# Altium PCB CRD25DA12N-FMC V1.1 (07-2023).PcbDoc (part 1 of 7) (continued)
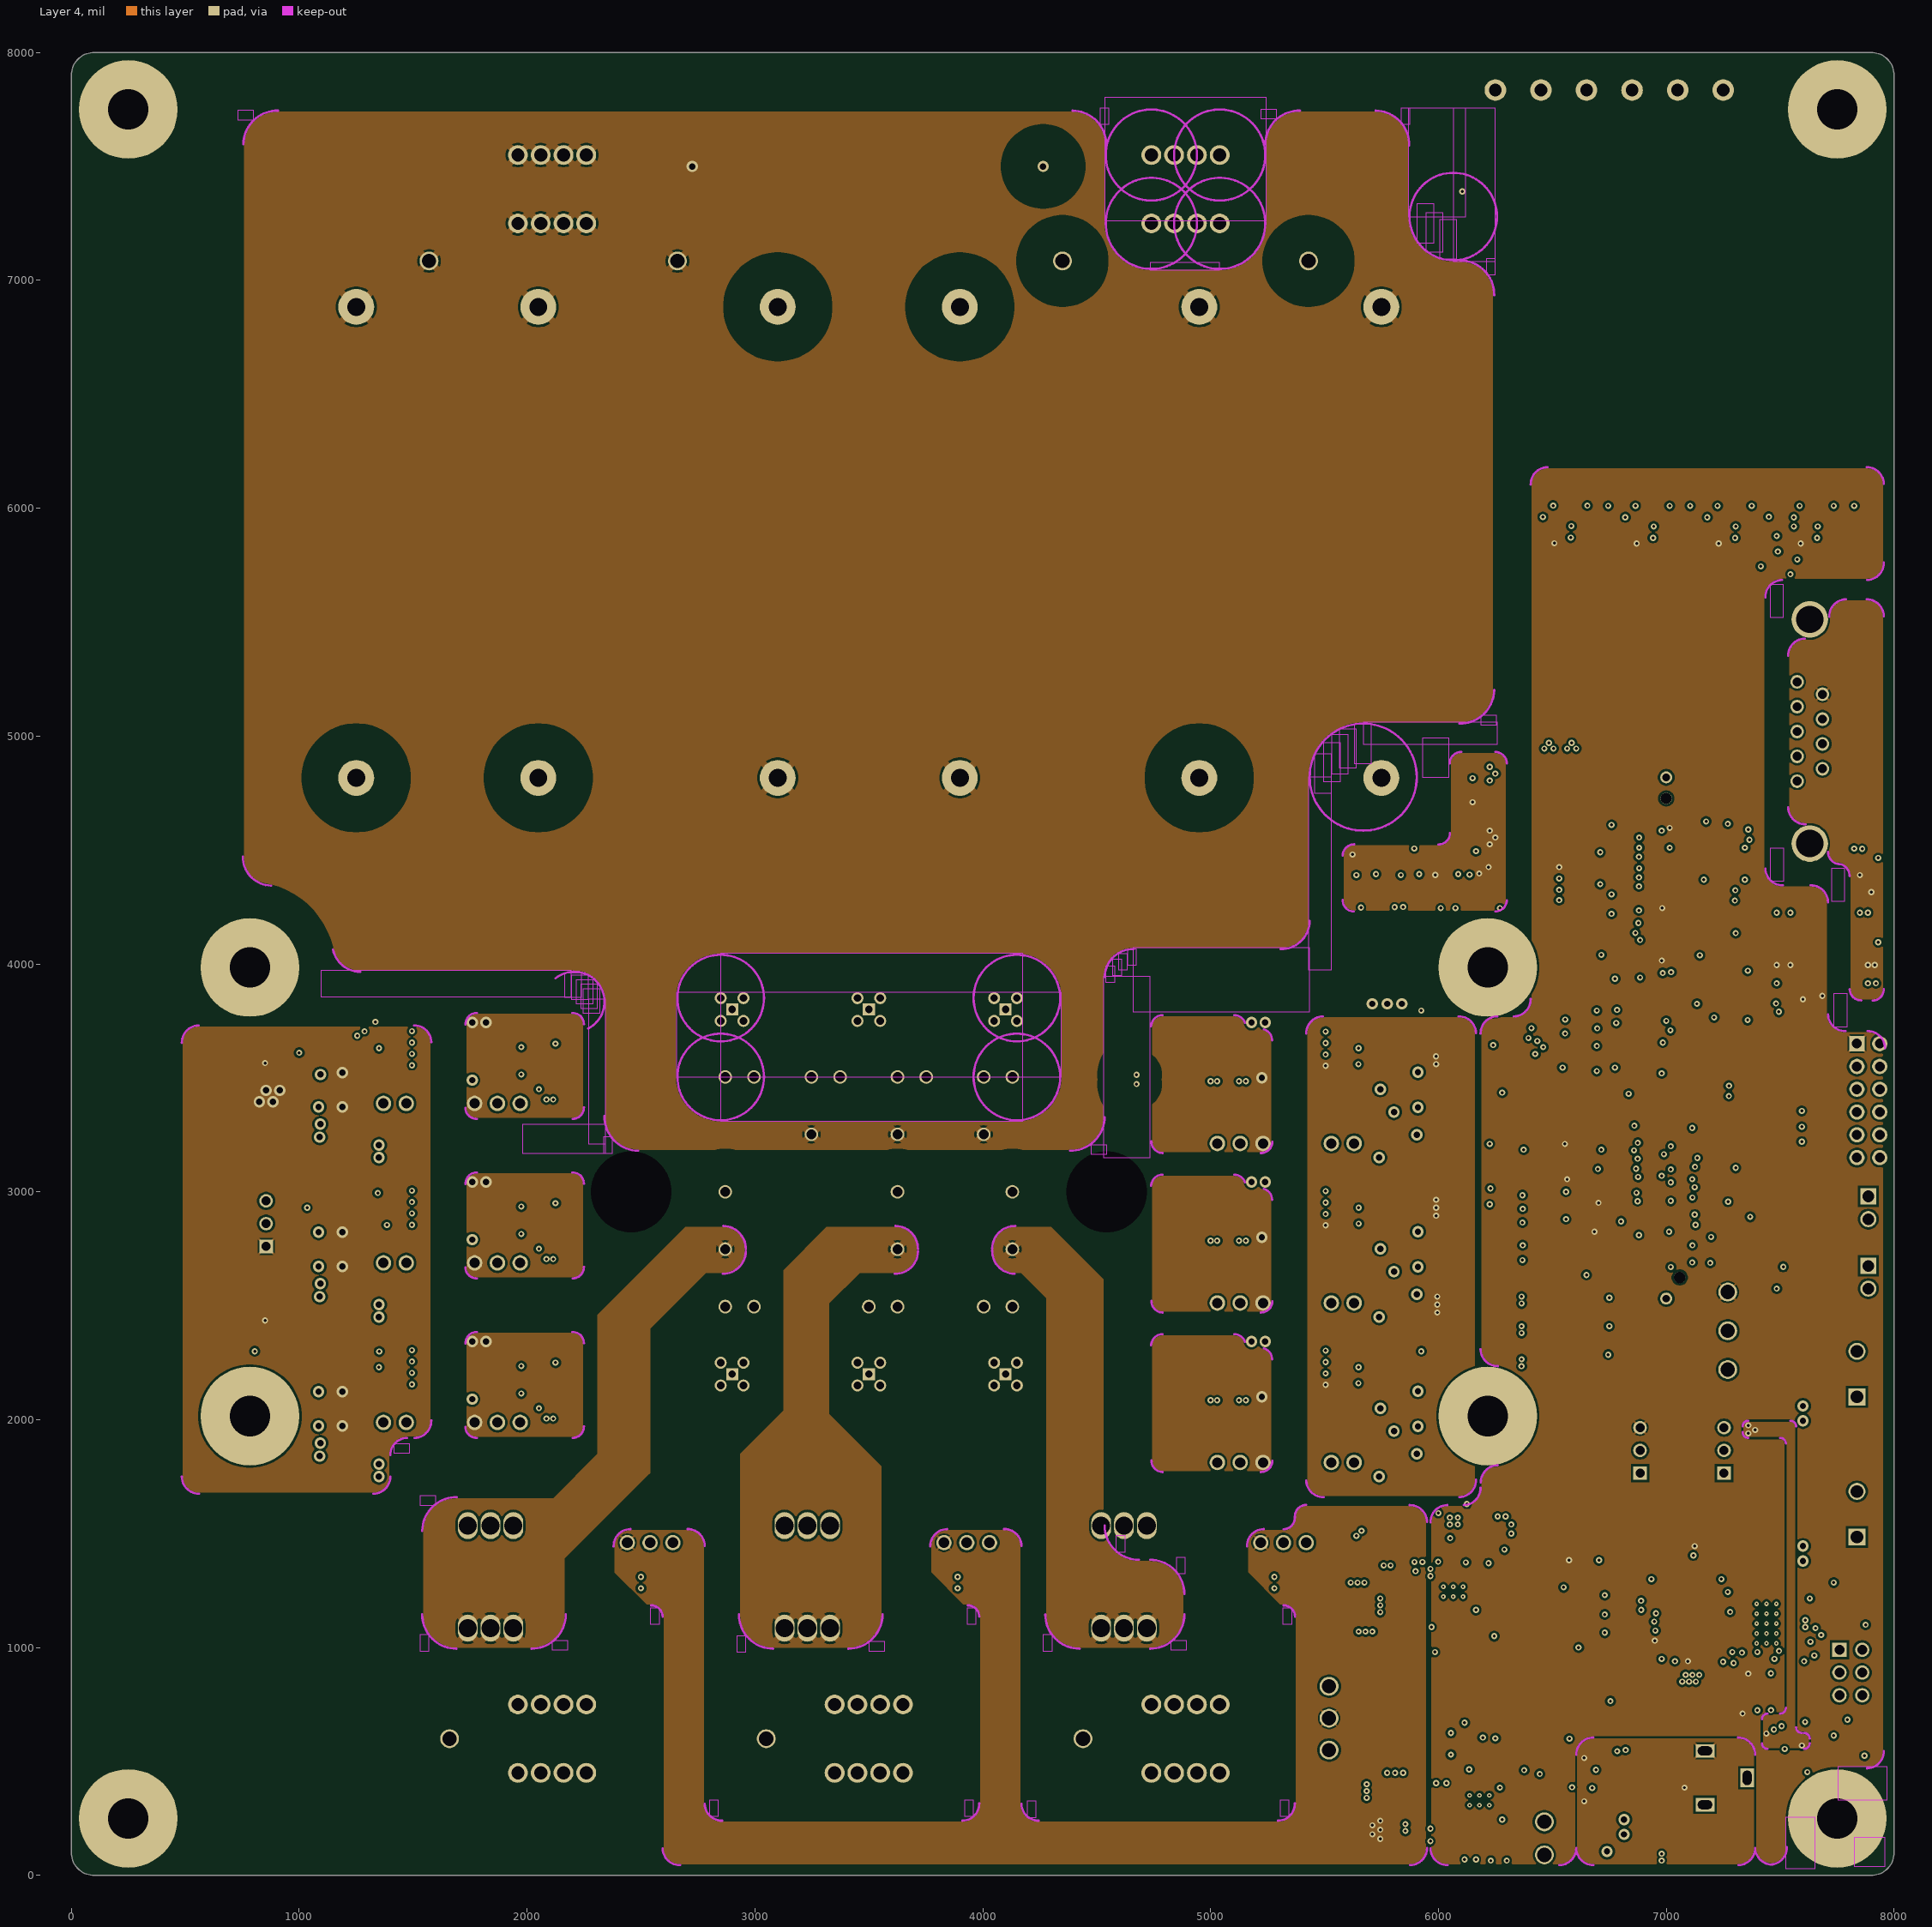
[diagram p4: Layer 4]
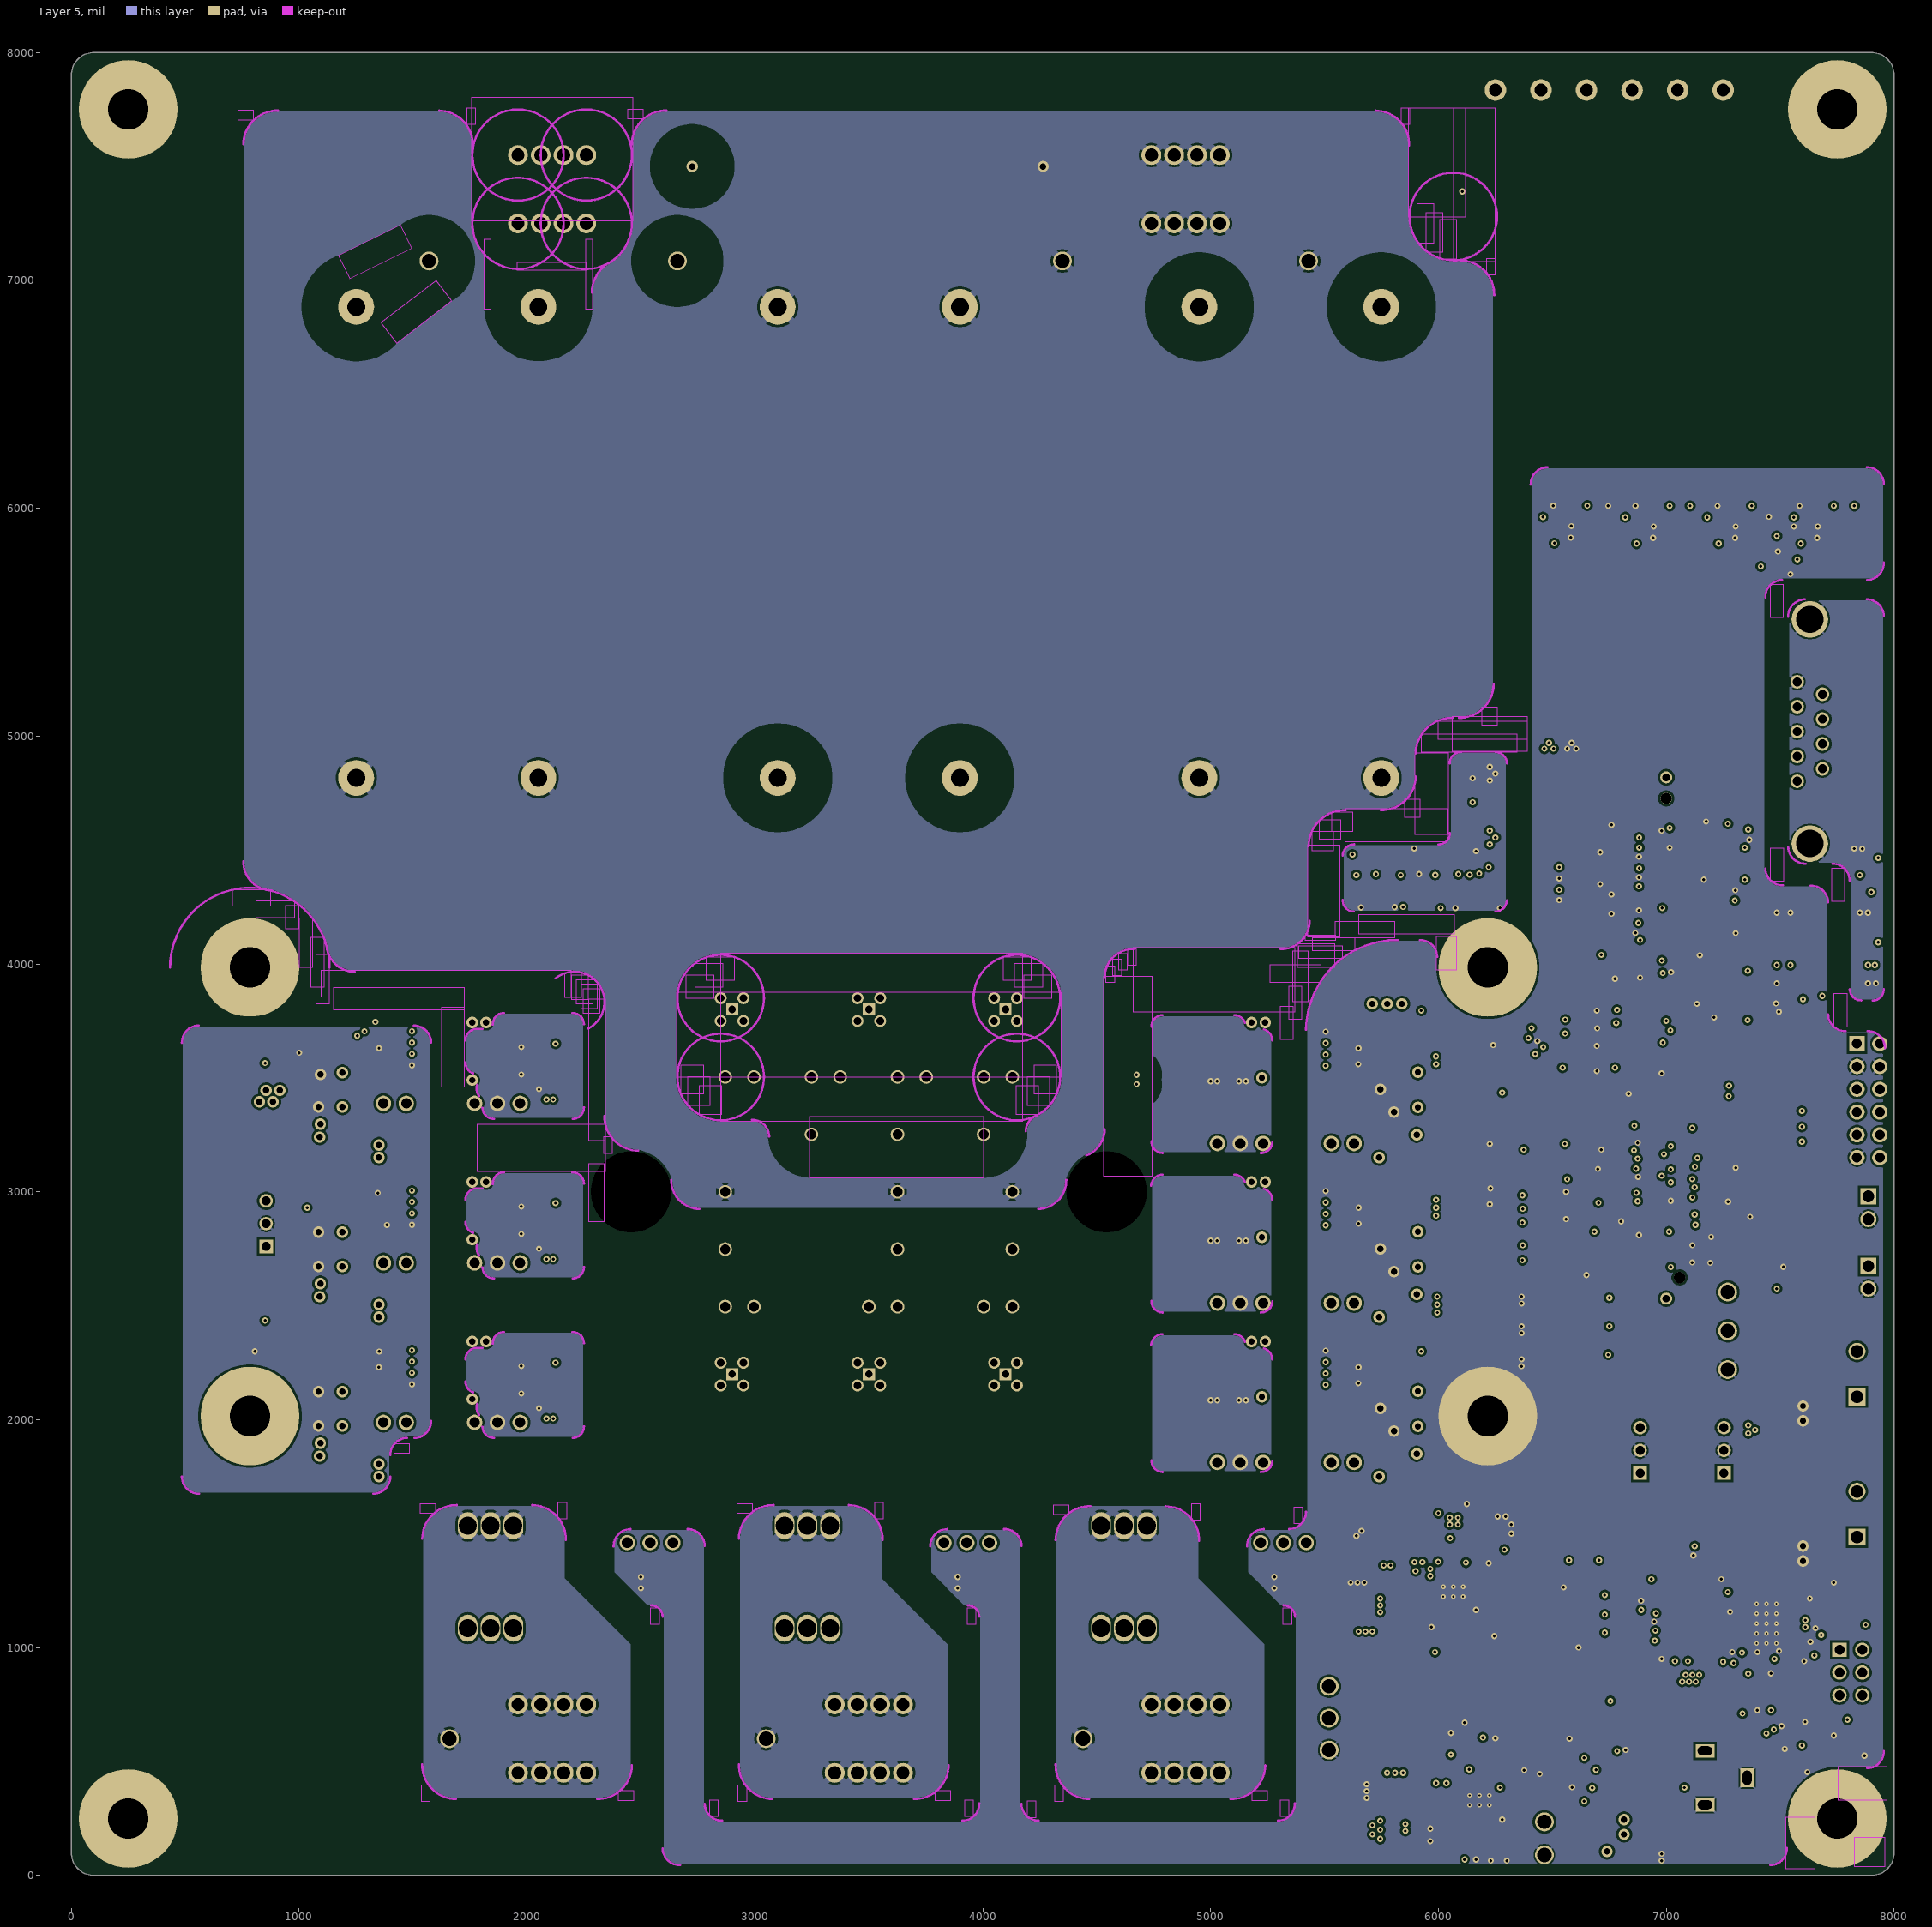
[diagram p5: Layer 5]

## Layer stack, top to bottom
Top Solder: solder mask 1, SM-002, Dk 4
Top Layer: signal copper 2.756
Dielectric 2: prepreg 7.894, PP-006, Dk 4.1
Layer 2: signal copper 2.756
Dielectric 4: prepreg 7.894, PP-006, Dk 4.1
Layer 3: signal copper 2.756
Dielectric 1: dielectric 42.888, FR-4, Dk 4.8
Layer 4: signal copper 2.756
Dielectric 5: prepreg 7.894, PP-006, Dk 4.1
Layer 5: signal copper 2.756
Dielectric 3: prepreg 7.894, PP-006, Dk 4.1
Bottom Layer: signal copper 2.756
Bottom Solder: solder mask 1, SM-002, Dk 4

## Board outline
0,100 0,7900 cw(c100,7900) 100,8000 7900,8000 cw(c7900,7900) 8000,7900 8000,100 cw(c7900,100) 7900,0 100,0 cw(c100,100)

## Design rules (kind name [scope] priority, off if disabled: settings)
Clearance Keepout [IsKeepOut] p1: gap=0 ignorepadtopadclearanceinfootprint=FALSE
Clearance DC+/- [InNet('DC+') vs InNet('DC-')] p2: gap=160 ignorepadtopadclearanceinfootprint=FALSE except(0: Arc-Text Arc-Hole Track-Text Track-Hole SMDPad-Text SMDPad-Hole THPad-Text THPad-Hole Via-Text Via-Hole Fill-Text Fill-Hole Poly-Text Poly-Hole Region-Text Region-Hole Text-Text Text-Hole)
Clearance DC+ [InNet('DC+') vs NOT (HoleDiameter > 180) AND NOT InNet('DC+1')] p3: gap=160 ignorepadtopadclearanceinfootprint=FALSE except(0: Arc-Text Arc-Hole Track-Text Track-Hole SMDPad-Text SMDPad-Hole THPad-Text THPad-Hole Via-Text Via-Hole Fill-Text Fill-Hole Poly-Text Poly-Hole Region-Text Region-Hole Text-Text Text-Hole)
Clearance +15V [InNet('+15V') vs InNet('+15V')] p4: gap=0 ignorepadtopadclearanceinfootprint=FALSE
Clearance VIN [InNet('VIN') vs InNet('VIN')] p5: gap=0 ignorepadtopadclearanceinfootprint=FALSE
Clearance VIN_PROTECT [InNet('VIN_PROTECT') vs InNet('VIN_PROTECT')] p6: gap=0 ignorepadtopadclearanceinfootprint=FALSE
Clearance U [InNetClass('U Class') vs NOT InNetClass('U Class') AND NOT (HoleDiameter > 100)] p7: gap=99 ignorepadtopadclearanceinfootprint=FALSE except(0: Arc-Text Arc-Hole Track-Text Track-Hole SMDPad-Text SMDPad-Hole THPad-Text THPad-Hole Via-Text Via-Hole Fill-Text Fill-Hole Poly-Text Poly-Hole Region-Text Region-Hole Text-Text Text-Hole)
Clearance V [InNetClass('V Class') vs NOT InNetClass('V Class') AND NOT IsKeepOut] p8: gap=99 ignorepadtopadclearanceinfootprint=FALSE except(0: Arc-Text Arc-Hole Track-Text Track-Hole SMDPad-Text SMDPad-Hole THPad-Text THPad-Hole Via-Text Via-Hole Fill-Text Fill-Hole Poly-Text Poly-Hole Region-Text Region-Hole Text-Text Text-Hole)
Clearance W [InNetClass('W Class') vs NOT InNetClass('W Class')] p9: gap=99 ignorepadtopadclearanceinfootprint=FALSE except(0: Arc-Text Arc-Hole Track-Text Track-Hole SMDPad-Text SMDPad-Hole THPad-Text THPad-Hole Via-Text Via-Hole Fill-Text Fill-Hole Poly-Text Poly-Hole Region-Text Region-Hole Text-Text Text-Hole)
Clearance DC- [InNetClass('DC- Class') vs NOT InNetClass('DC- Class') AND NOT InNet('DC-1') AND NOT (HoleDiameter > 180)] p10: gap=99 ignorepadtopadclearanceinfootprint=FALSE except(0: Arc-Text Arc-Hole Track-Text Track-Hole SMDPad-Text SMDPad-Hole THPad-Text THPad-Hole Via-Text Via-Hole Fill-Poly Fill-Text Fill-Hole Poly-Text Poly-Hole Region-Text Region-Hole Text-Text Text-Hole)
Clearance [All] p11: gap=10 ignorepadtopadclearanceinfootprint=FALSE except(0: Arc-Hole Track-Hole SMDPad-Hole THPad-Hole Via-Hole Fill-Poly Fill-Hole Poly-Hole Region-Hole Text-Hole; 6: Arc-SMDPad Track-SMDPad SMDPad-SMDPad THPad-THPad)
Height [All] p1: minheight=0 maxheight=4100 prefheight=500
HoleSize [All] p1: absolutevalues=TRUE maxlimit=400 minlimit=5 maxpercent=80.000 minpercent=20.000
MinimumSolderMaskSliver [All] p1: minsoldermaskwidth=1.5
PolygonConnect BoltConnect [HoleDiameter=177.165] p1: thpad.connectstyle=Direct thpad.reliefconductorwidth=10 thpad.reliefentries=4 thpad.polygonreliefangle="90 Angle" thpad.airgapwidth=10 smdpad.connectstyle=Relief smdpad.reliefconductorwidth=10 smdpad.reliefentries=4 smdpad.polygonreliefangle="90 Angle" smdpad.airgapwidth=10 via.connectstyle=Relief via.reliefconductorwidth=10 via.reliefentries=4 via.polygonreliefangle="90 Angle" via.airgapwidth=10
PolygonConnect PourOverThruConnect [InNetClass('Pour-Over Thru Clas')] p2: thpad.connectstyle=Direct thpad.reliefconductorwidth=10 thpad.reliefentries=4 thpad.polygonreliefangle="90 Angle" thpad.airgapwidth=10 smdpad.connectstyle=Relief smdpad.reliefconductorwidth=20 smdpad.reliefentries=4 smdpad.polygonreliefangle="90 Angle" smdpad.airgapwidth=8 via.connectstyle=Direct via.reliefconductorwidth=10 via.reliefentries=4 via.polygonreliefangle="90 Angle" via.airgapwidth=10
PolygonConnect PourOverConnect [InNetClass('Pour-Over Class')] p3: connectstyle=Direct reliefconductorwidth=10 reliefentries=4 polygonreliefangle="90 Angle" airgapwidth=10
PolygonConnect ViaConnect [IsVia] p4: connectstyle=Direct reliefconductorwidth=10 reliefentries=4 polygonreliefangle="90 Angle" airgapwidth=10
PolygonConnect HighCurrentConnect [InNetClass('High-Current Class')] p5: thpad.connectstyle=Relief thpad.reliefconductorwidth=30 thpad.reliefentries=4 thpad.polygonreliefangle="45 Angle" thpad.airgapwidth=10 smdpad.connectstyle=Relief smdpad.reliefconductorwidth=10 smdpad.reliefentries=4 smdpad.polygonreliefangle="45 Angle" smdpad.airgapwidth=10 via.connectstyle=Direct via.reliefconductorwidth=10 via.reliefentries=4 via.polygonreliefangle="90 Angle" via.airgapwidth=10
PolygonConnect [All] p6: connectstyle=Relief reliefconductorwidth=10 reliefentries=4 polygonreliefangle="45 Angle" airgapwidth=7
RoutingVias [All] p1: holewidth=28 width=50 viastyle="Through Hole" minholewidth=28 minwidth=50 maxholewidth=28 maxwidth=50
SilkToSilkClearance [All] p1: silktosilkclearance=4
SilkToSolderMaskClearance [IsPad] p1: minsilkscreentomaskgap=2 clearancetoexposedcopper=TRUE
SolderMaskExpansion [All] p1: expansion=4 istentingtop=FALSE
Width [All] p1: maxlimit=100 minlimit=6.5 preferedwidth=10 minimp=50.000000 maximp=50.000000 favimp=50.000000
25 further rules are at their usual default settings.

## Classes and differential pairs
net class "Pour-Over Thru Clas": +15V_U_HS +15V_U_LS +15V_V_HS +15V_V_LS +15V_W_HS +15V_W_LS -3V_U_HS -3V_U_LS -3V_V_HS -3V_V_LS -3V_W_HS -3V_W_LS S1 S2 S3 S4 S5 S6
net class "Pour-Over Class": G1 G1H G1L G2 G2H G2L G3 G3H G3L G4 G4H G4L G5 G5H G5L G6 G6H G6L
net class "High-Current Class": DC+ DC- U U_OUT V V_OUT W W_OUT
net class "Bleed Class": BLEED1 BLEED2 BLEED3
net class "DC- Class": +15V_U_LS +15V_V_LS +15V_W_LS -3V_U_LS -3V_V_LS -3V_W_LS DC- G2 G2H G2L G4 G4H G4L G6 G6H G6L S2 S4 S6
net class "W Class": +15V_W_HS -3V_W_HS G5 G5H G5L S5 W W_OUT
net class "V Class": +15V_V_HS -3V_V_HS G3 G3H G3L S3 V V_OUT
net class "U Class": +15V_U_HS -3V_U_HS G1 G1H G1L S1 U U_OUT
component class "08 - Resolver": C16 C18 C38 C39 C41 C42 C43 C45 C46 C47 C167 C168 C169 C170 C171 C172 C173 C174 C175 C176 C178 C180 D10 D11 D12 J16 Q2 R55 R56 R97 R101 R102 R103 R104 R105 R107 R110 R209 R211 R212 R214 R215 R217 R218 R219 R220 R221 R222 R223 R224 R225 R226 R227 R228 U44 U45 U46 U47
component class "02 - Power Stage": C54 C55 C56 C161 C162 C163 C164 C165 C166 D13 D14 D15 D16 HS1 J2 J3 J5 J6 J7 J12 J13 J14 J17 J18 J19 MH1 MH2 MH3 MH4 Q3 R1 R2 R3 R4 R5 R6 R7 R8 R9 R10 R11 R12 R178 R183 R185 R188 R200 R201 R202 R203 TP1 TP2 TP3 TP4 TP10 TP11 TP12 U32 U33 U34
component class "04 - Auxiliary Power": C5 C10 C11 C12 C15 C23 C37 C40 C44 C48 C49 C50 C51 C52 C53 C61 C62 C63 C67 C112 C125 C148 C149 C154 C155 C158 C159 C160 C177 C179 C181 C182 C183 C184 D4 D5 D6 D7 D8 D9 D19 J9 J10 J20 L7 L8 Q1 Q6 Q7 R98 R99 R100 R106 R108 R109 R111 R112 R113 R114 R115 R116 R117 R118 R119 R120 R121 R206 R207 R210 R213 R216 R229 R230 TP5 TP6 TP7 TP8 TP9 TP13 TP14 TP15 U6 U7 U12 U19 U30 U31 U35 U36 U37 U38 U48
component class "07 - Current Sense": C17 C19 C21 C27 C28 C32 C34 C35 C64 C69 C70 C71 C77 C78 C79 C80 C81 C84 C85 C86 C102 C103 C104 C107 C108 C109 C113 C114 C119 R57 R66 R67 R68 R69 R70 R71 R72 R73 R76 R79 R84 R85 R86 R87 R90 R93 R154 R155 R164 R165 R166 R167 R168 R169 R170 R171 R172 R173 R174 R175 R194 R198 R199 U18 U21 U23 U39 U40 U42
component class "03 - Controller": C20 C22 C29 C30 C31 C33 C82 C83 C111 C126 C129 C132 D1 D2 D3 D17 D18 J4 J8 J11 J15 Q4 Q5 R58 R59 R156 R190 R191 R192 R193 R195 R196 R197 R205 R208 U5 U41 U43
component class "06 - Voltage Sense": C1 C2 C3 C4 C6 C7 C8 C9 C57 C58 C59 C60 C65 C66 C68 C72 J1 R13 R14 R15 R16 R17 R18 R19 R20 R21 R22 R23 R24 R25 R26 R27 R28 R29 R30 R31 R32 R33 R34 R35 R36 R37 R38 R39 R40 R41 R42 R43 R44 R45 R46 R53 R54 R122 R123 R124 R125 R126 R127 R128 R129 R130 R131 R132 R133 R134 R135 R136 R137 R138 R139 R140 R141 R142 R143 R144 R145 R146 R147 R148 R149 R150 R151 R152 R153 U1 U2 U3 U4
component class "05 - Gate Drivers": C13 C14 C24 C25 C26 C36 C73 C74 C75 C76 C87 C88 C89 C90 C91 C92 C93 C94 C95 C96 C97 C98 C99 C100 C101 C105 C106 C110 C115 C116 C117 C118 C120 C121 C122 C123 C124 C127 C128 C130 C131 C133 C134 C135 C136 C137 C138 C139 C140 C141 C142 C143 C144 C145 C146 C147 C150 C151 C152 C153 C156 C157 L1 L2 L3 L4 L5 L6 R47 R48 R49 R50 R51 R52 R60 R61 R62 R63 R64 R65 R74 R75 R77 R78 R80 R81 R82 R83 R88 R89 R91 R92 R94 R96 R157 R158 R159 R160 R161 R162 R163 R176 R177 R179 R180 R181 R182 R184 R186 R187 R189 R204 R231 R232 R233 R234 R235 R236 U8 U9 U10 U11 U13 U14 U15 U16 U17 U20 U22 U24 U25 U26 U27 U28 U29

## Components (designator, comment, footprint, x,y, rotation, side; value= is the part's Value field where it differs from the comment)
C1 "C0603C472K3RAC7867" FP-C0603C-CF-IPC_B 6460,6040 r270 top value=4.7nF
C2 "CL10B103KA8WPNC" FP-C0603C-CF-IPC_B 6820,6040 r270 top value=10nF
C3 "CL10B103KA8WPNC" FP-C0603C-CF-IPC_B 7180,6040 r270 top value=10nF
C4 "CL10B103KA8WPNC" FP-C0603C-CF-IPC_B 7540,6040 r270 top value=10nF
C5 "C0603C104K3RACTU" FP-C0603C-CF-IPC_B 7480,5920 r180 top value=0.10μF
C6 "C0603C104K3RACTU" FP-C0603C-CF-IPC_B 6580,5795 r0 top value=0.10μF
C7 "C0603C104K3RACTU" FP-C0603C-CF-IPC_B 6940,5795 r0 top value=0.10μF
C8 "C0603C104K3RACTU" FP-C0603C-CF-IPC_B 7300,5795 r0 top value=0.10μF
C9 "C0603C104K3RACTU" FP-C0603C-CF-IPC_B 7660,5795 r0 top value=0.10μF
C10 "CL31B106KAHSFNE" FP-CL31-IPC_B 6090,4765 r90 top value=10μF
C11 "C0603C104K3RACTU" FP-C0603C-CF-IPC_B 7210,4580 r180 top value=0.10μF
C12 "C0603C104K3RACTU" FP-C0603C-CF-IPC_B 7210,4511 r180 top value=0.10μF
C13 "C0603C104K3RACTU" FP-C0603C-CF-IPC_B 5792,4465 r90 top value=0.10μF
C14 "C0603C104K3RACTU" FP-C0603C-CF-IPC_B 6130,4465 r90 top value=0.10μF
C15 "C0603C104K3RACTU" FP-C0603C-CF-IPC_B 7210,4442 r180 top value=0.10μF
C16 "C0603C102K5RACAUTO" FP-C0603C-CF-IPC_B 7210,4304 r0 top value=1nF
C17 "C0603C472K3RAC7867" FP-C0603C-CF-IPC_B 6790,4180 r180 top value=4.7nF
C18 "C0603C102K5RACAUTO" FP-C0603C-CF-IPC_B 7210,4168 r0 top value=1nF
C19 "C0603C472K3RAC7867" FP-C0603C-CF-IPC_B 6790,4110 r180 top value=4.7nF
C20 "CL10C560JB8NNNC" FP-C0603C-CF-IPC_B 7210,4032 r180 top value=56pF
C21 "C0603C472K3RAC7867" FP-C0603C-CF-IPC_B 6790,3974 r180 top value=4.7nF
C22 "CL10C560JB8NNNC" FP-C0603C-CF-IPC_B 7210,3828 r0 top value=56pF
C23 "CL31B106KAHSFNE" FP-CL31-IPC_B 7575.81,3790 r180 top value=10μF
C24 "CL10C560JB8NNNC" FP-C0603C-CF-IPC_B 1415,3664 r180 top value=56pF
C25 "CL10C560JB8NNNC" FP-C0603C-CF-IPC_B 5585,3664 r0 top value=56pF
C26 "CL10C560JB8NNNC" FP-C0603C-CF-IPC_B 1415,3596 r180 top value=56pF
C27 "C0603C104K3RACTU" FP-C0603C-CF-IPC_B 6290,3251 r180 top value=0.10μF
C28 "C0603C472K3RAC7867" FP-C0603C-CF-IPC_B 6290,3182 r180 top value=4.7nF
C29 "CL10C560JB8NNNC" FP-C0603C-CF-IPC_B 7210,3140 r0 top value=56pF
C30 "CL10C560JB8NNNC" FP-C0603C-CF-IPC_B 7210,3070 r0 top value=56pF
C31 "CL10C560JB8NNNC" FP-C0603C-CF-IPC_B 7210,3000 r0 top value=56pF
C32 "C0603C104K3RACTU" FP-C0603C-CF-IPC_B 6290,2978 r180 top value=0.10μF
C33 "CL10C560JB8NNNC" FP-C0603C-CF-IPC_B 7210,2930 r0 top value=56pF
C34 "C0603C472K3RAC7867" FP-C0603C-CF-IPC_B 6290,2910 r180 top value=4.7nF
C35 "C0603C472K3RAC7867" FP-C0603C-CF-IPC_B 6290,2840 r180 top value=4.7nF
C36 "CL10C560JB8NNNC" FP-C0603C-CF-IPC_B 1415,2196 r180 top value=56pF
C37 "CL31B475KBHNFNE" FP-CL31-IPC_C 6220,1520 r0 top value=4.7μF
C38 "C0603C104K3RACTU" FP-C0603C-CF-IPC_B 7050,1363 r0 top value=0.10μF
C39 "CL10B103KA8WPNC" FP-C0603C-CF-IPC_B 7170,1295 r180 top value=10nF
C40 "CL31B106KAHSFNE" FP-CL31-IPC_B 5670,1178.12 r90 top value=10μF
C41 "C0603C102K5RACAUTO" FP-C0603C-CF-IPC_B 7050,1227 r180 top value=1nF
C42 "C0603C104K3RACTU" FP-C0603C-CF-IPC_B 7560,1160 r90 top value=0.10μF
C43 "06035A180JAT2A" FP-C0603C-CF-IPC_B 7320,1091 r0 top value=18pF
C44 "C0603C104K3RACTU" FP-C0603C-CF-IPC_B 6180,1085 r0 top value=0.10μF
C45 "CL10B103KA8WPNC" FP-C0603C-CF-IPC_B 7170,1022 r0 top value=10nF
C46 "C0603C104K3RACTU" FP-C0603C-CF-IPC_B 7370,840 r0 top value=0.10μF
C47 "C0603C104K3RACTU" FP-C0603C-CF-IPC_B 7370,771 r0 top value=0.10μF
C48 "CL31B475KBHNFNE" FP-CL31-IPC_C 6115,565 r90 top value=4.7μF
C49 "CL10C560JB8NNNC" FP-C0603C-CF-IPC_B 6263,530 r90 top value=56pF
C50 "C0603C102K5RACAUTO" FP-C0603C-CF-IPC_B 6400,530 r270 top value=1nF
C51 "C0603C472K3RAC7867" FP-C0603C-CF-IPC_B 6905,526 r180 top value=4.7nF
C52 "CC0805KRX7R9BB223" FP-C0603C-CF-IPC_B 6510,478 r180 top value=22nF
C53 "C0603C104K3RACTU" FP-C0603C-CF-IPC_B 6302,135 r270 top value=0.10μF
C54 "C4AQQEW5650A3BJ" C4AQQEW5650A3BJ 3500,5850 r90 bottom value=65µF
C55 "C4AQQEW5650A3BJ" C4AQQEW5650A3BJ 5350,5850 r270 bottom value=65µF
C56 "C4AQQEW5650A3BJ" C4AQQEW5650A3BJ 1650,5850 r270 bottom value=65µF
C57 "CL10B103KA8WPNC" FP-C0603C-CF-IPC_B 7660,6040 r270 bottom value=10nF
C58 "CL10B103KA8WPNC" FP-C0603C-CF-IPC_B 7300,6040 r270 bottom value=10nF
C59 "CL10B103KA8WPNC" FP-C0603C-CF-IPC_B 6940,6040 r270 bottom value=10nF
C60 "C0603C472K3RAC7867" FP-C0603C-CF-IPC_B 6580,6040 r270 bottom value=4.7nF
C61 "C0603C104K3RACTU" FP-C0603C-CF-IPC_B 7480,5920 r0 bottom value=0.10μF
C62 "C0603C104K3RACTU" FP-C0603C-CF-IPC_B 7480,5710 r0 bottom value=0.10μF
C63 "CL31B106KAHSFNE" FP-CL31-IPC_B 6525,4890 r0 bottom value=10μF
C64 "C0603C104K3RACTU" FP-C0603C-CF-IPC_B 7100,4617 r0 bottom value=0.10μF
C65 "GCM188R71C274KA37D" FP-GCM188-0_1-IPC_A 6790,4564 r180 bottom value=0.27μF
C66 "GCM188R71C274KA37D" FP-GCM188-0_1-IPC_A 6790,4492 r180 bottom value=0.27μF
C67 "CL31B106KAHSFNE" FP-CL31-IPC_B 7845,4395 r90 bottom value=10μF
C68 "GCM188R71C274KA37D" FP-GCM188-0_1-IPC_A 6790,4420 r180 bottom value=0.27μF
C69 "C0603C472K3RAC7867" FP-C0603C-CF-IPC_B 7230,4411 r180 bottom value=4.7nF
C70 "CL10C101JB8NNNC" FP-C0603C-CF-IPC_B 7100,4411 r180 bottom value=100pF
C71 "CL10C101JB8NNNC" FP-C0603C-CF-IPC_B 6970,4411 r0 bottom value=100pF
C72 "GCM188R71C274KA37D" FP-GCM188-0_1-IPC_A 6790,4350 r180 bottom value=0.27μF
C73 "C0603C104K3RACTU" FP-C0603C-CF-IPC_B 6475,4320 r270 bottom value=0.10μF
C74 "C0603C104K3RACTU" FP-C0603C-CF-IPC_B 6215,4320 r270 bottom value=0.10μF
C75 "C0603C104K3RACTU" FP-C0603C-CF-IPC_B 6147,4320 r270 bottom value=0.10μF
C76 "C0603C104K3RACTU" FP-C0603C-CF-IPC_B 6079,4320 r270 bottom value=0.10μF
C77 "C0603C104K3RACTU" FP-C0603C-CF-IPC_B 7100,4343 r0 bottom value=0.10μF
C78 "C0603C472K3RAC7867" FP-C0603C-CF-IPC_B 7230,4139 r180 bottom value=4.7nF
C79 "CL10C101JB8NNNC" FP-C0603C-CF-IPC_B 7100,4139 r180 bottom value=100pF
C80 "CL10C101JB8NNNC" FP-C0603C-CF-IPC_B 6970,4139 r0 bottom value=100pF
C81 "C0603C104K3RACTU" FP-C0603C-CF-IPC_B 7100,4070 r0 bottom value=0.10μF
C82 "C0603C104K3RACTU" FP-C0603C-CF-IPC_B 7885,3868 r0 bottom value=0.10μF
C83 "C0603C104K3RACTU" FP-C0603C-CF-IPC_B 7535,3868 r180 bottom value=0.10μF
C84 "C0603C472K3RAC7867" FP-C0603C-CF-IPC_B 7230,3868 r180 bottom value=4.7nF
C85 "CL10C101JB8NNNC" FP-C0603C-CF-IPC_B 7100,3868 r180 bottom value=100pF
C86 "CL10C101JB8NNNC" FP-C0603C-CF-IPC_B 6970,3868 r0 bottom value=100pF
C87 "GRT188R61H225ME13D" FP-C0603C-CF-IPC_B 1415,3732 r180 bottom value=2.2μF
C88 "GRT188R61H225ME13D" FP-C0603C-CF-IPC_B 5455,3637 r90 bottom value=2.2μF
C89 "GRT188R61H225ME13D" FP-C0603C-CF-IPC_B 1545,3635 r270 bottom value=2.2μF
C90 "CL10C560JB8NNNC" FP-C0603C-CF-IPC_B 5585,3596 r0 bottom value=56pF
C91 "CL31B106KAHSFNE" FP-CL31-IPC_B 2070,3595 r180 bottom value=10μF
C92 "CL31B106KAHSFNE" FP-CL31-IPC_B 1875,3595 r180 bottom value=10μF
C93 "GRT188R61H225ME13D" FP-C0603C-CF-IPC_B 5585,3528 r0 bottom value=2.2μF
C94 "CL10C560JB8NNNC" FP-C0603C-CF-IPC_B 6765,3500 r0 bottom value=56pF
C95 "GRT188R61H225ME13D" FP-C0603C-CF-IPC_B 6625,3500 r0 bottom value=2.2μF
C96 "CL31B106KAHSFNE" FP-CL31-IPC_B 2070,3495 r180 bottom value=10μF
C97 "CL31B106KAHSFNE" FP-CL31-IPC_B 1875,3495 r180 bottom value=10μF
C98 "CL31B106KAHSFNE" FP-CL31-IPC_B 5170,3420 r0 bottom value=10μF
C99 "CL31B106KAHSFNE" FP-CL31-IPC_B 4980,3420 r0 bottom value=10μF
C100 "CL31B106KAHSFNE" FP-CL31-IPC_B 5170,3320 r0 bottom value=10μF
C101 "CL31B106KAHSFNE" FP-CL31-IPC_B 4980,3320 r0 bottom value=10μF
C102 "CL10C560JB8NNNC" FP-C0603C-CF-IPC_B 6790,3261 r180 bottom value=56pF
C103 "CL10C560JB8NNNC" FP-C0603C-CF-IPC_B 6790,3192 r180 bottom value=56pF
C104 "C0603C104K3RACTU" FP-C0603C-CF-IPC_B 6650,3192 r0 bottom value=0.10μF
C105 "CL31B106KAHSFNE" FP-CL31-IPC_B 5880,3152.8 r180 bottom value=10μF
C106 "CL31B106KAHSFNE" FP-CL31-IPC_B 1220,3155 r180 bottom value=10μF
C107 "CL10C560JB8NNNC" FP-C0603C-CF-IPC_B 6790,3123 r180 bottom value=56pF
C108 "CL10C560JB8NNNC" FP-C0603C-CF-IPC_B 6790,3054 r180 bottom value=56pF
C109 "C0603C104K3RACTU" FP-C0603C-CF-IPC_B 6650,3054 r0 bottom value=0.10μF
C110 "GRT188R61H225ME13D" FP-C0603C-CF-IPC_B 1415,3032 r180 bottom value=2.2μF
C111 "C0603C104K3RACTU" FP-C0603C-CF-IPC_B 7065,2986.42 r270 bottom value=0.10μF